# Altium PCB ALCT_MEZ_SPARTAN6T.PcbDoc (part 1 of 12) (continued)
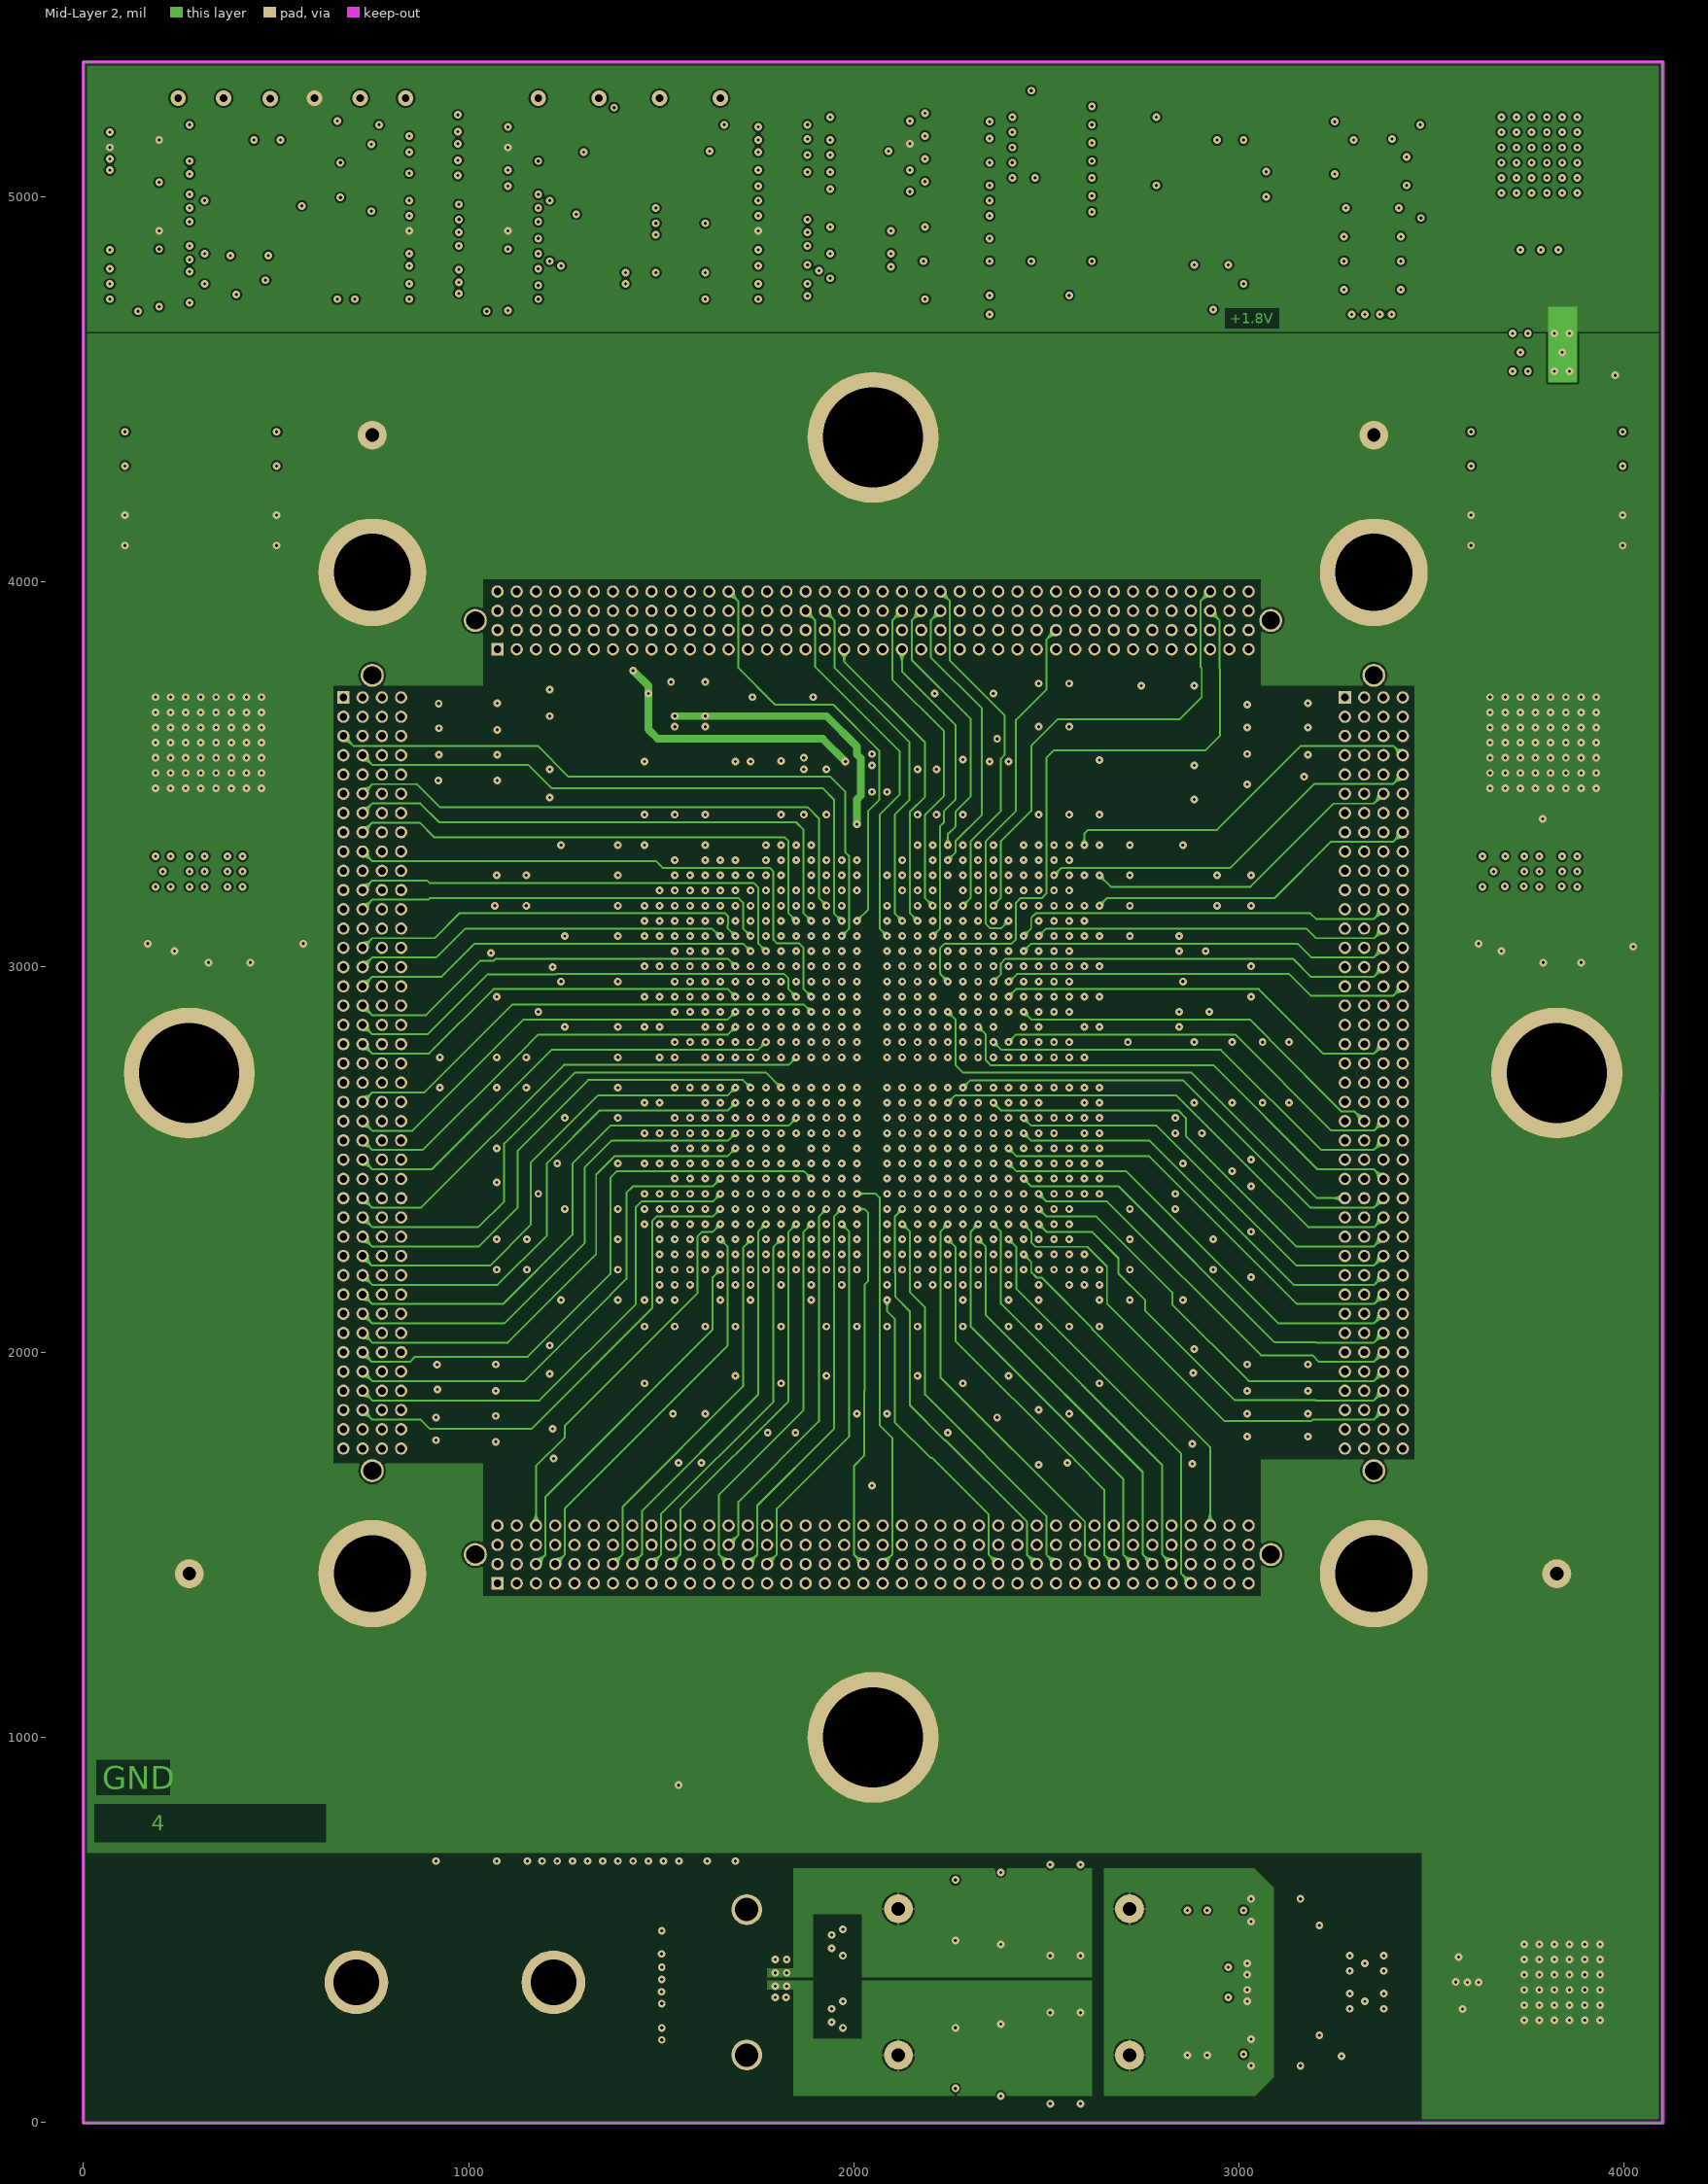
[diagram p4: Mid-Layer 2]
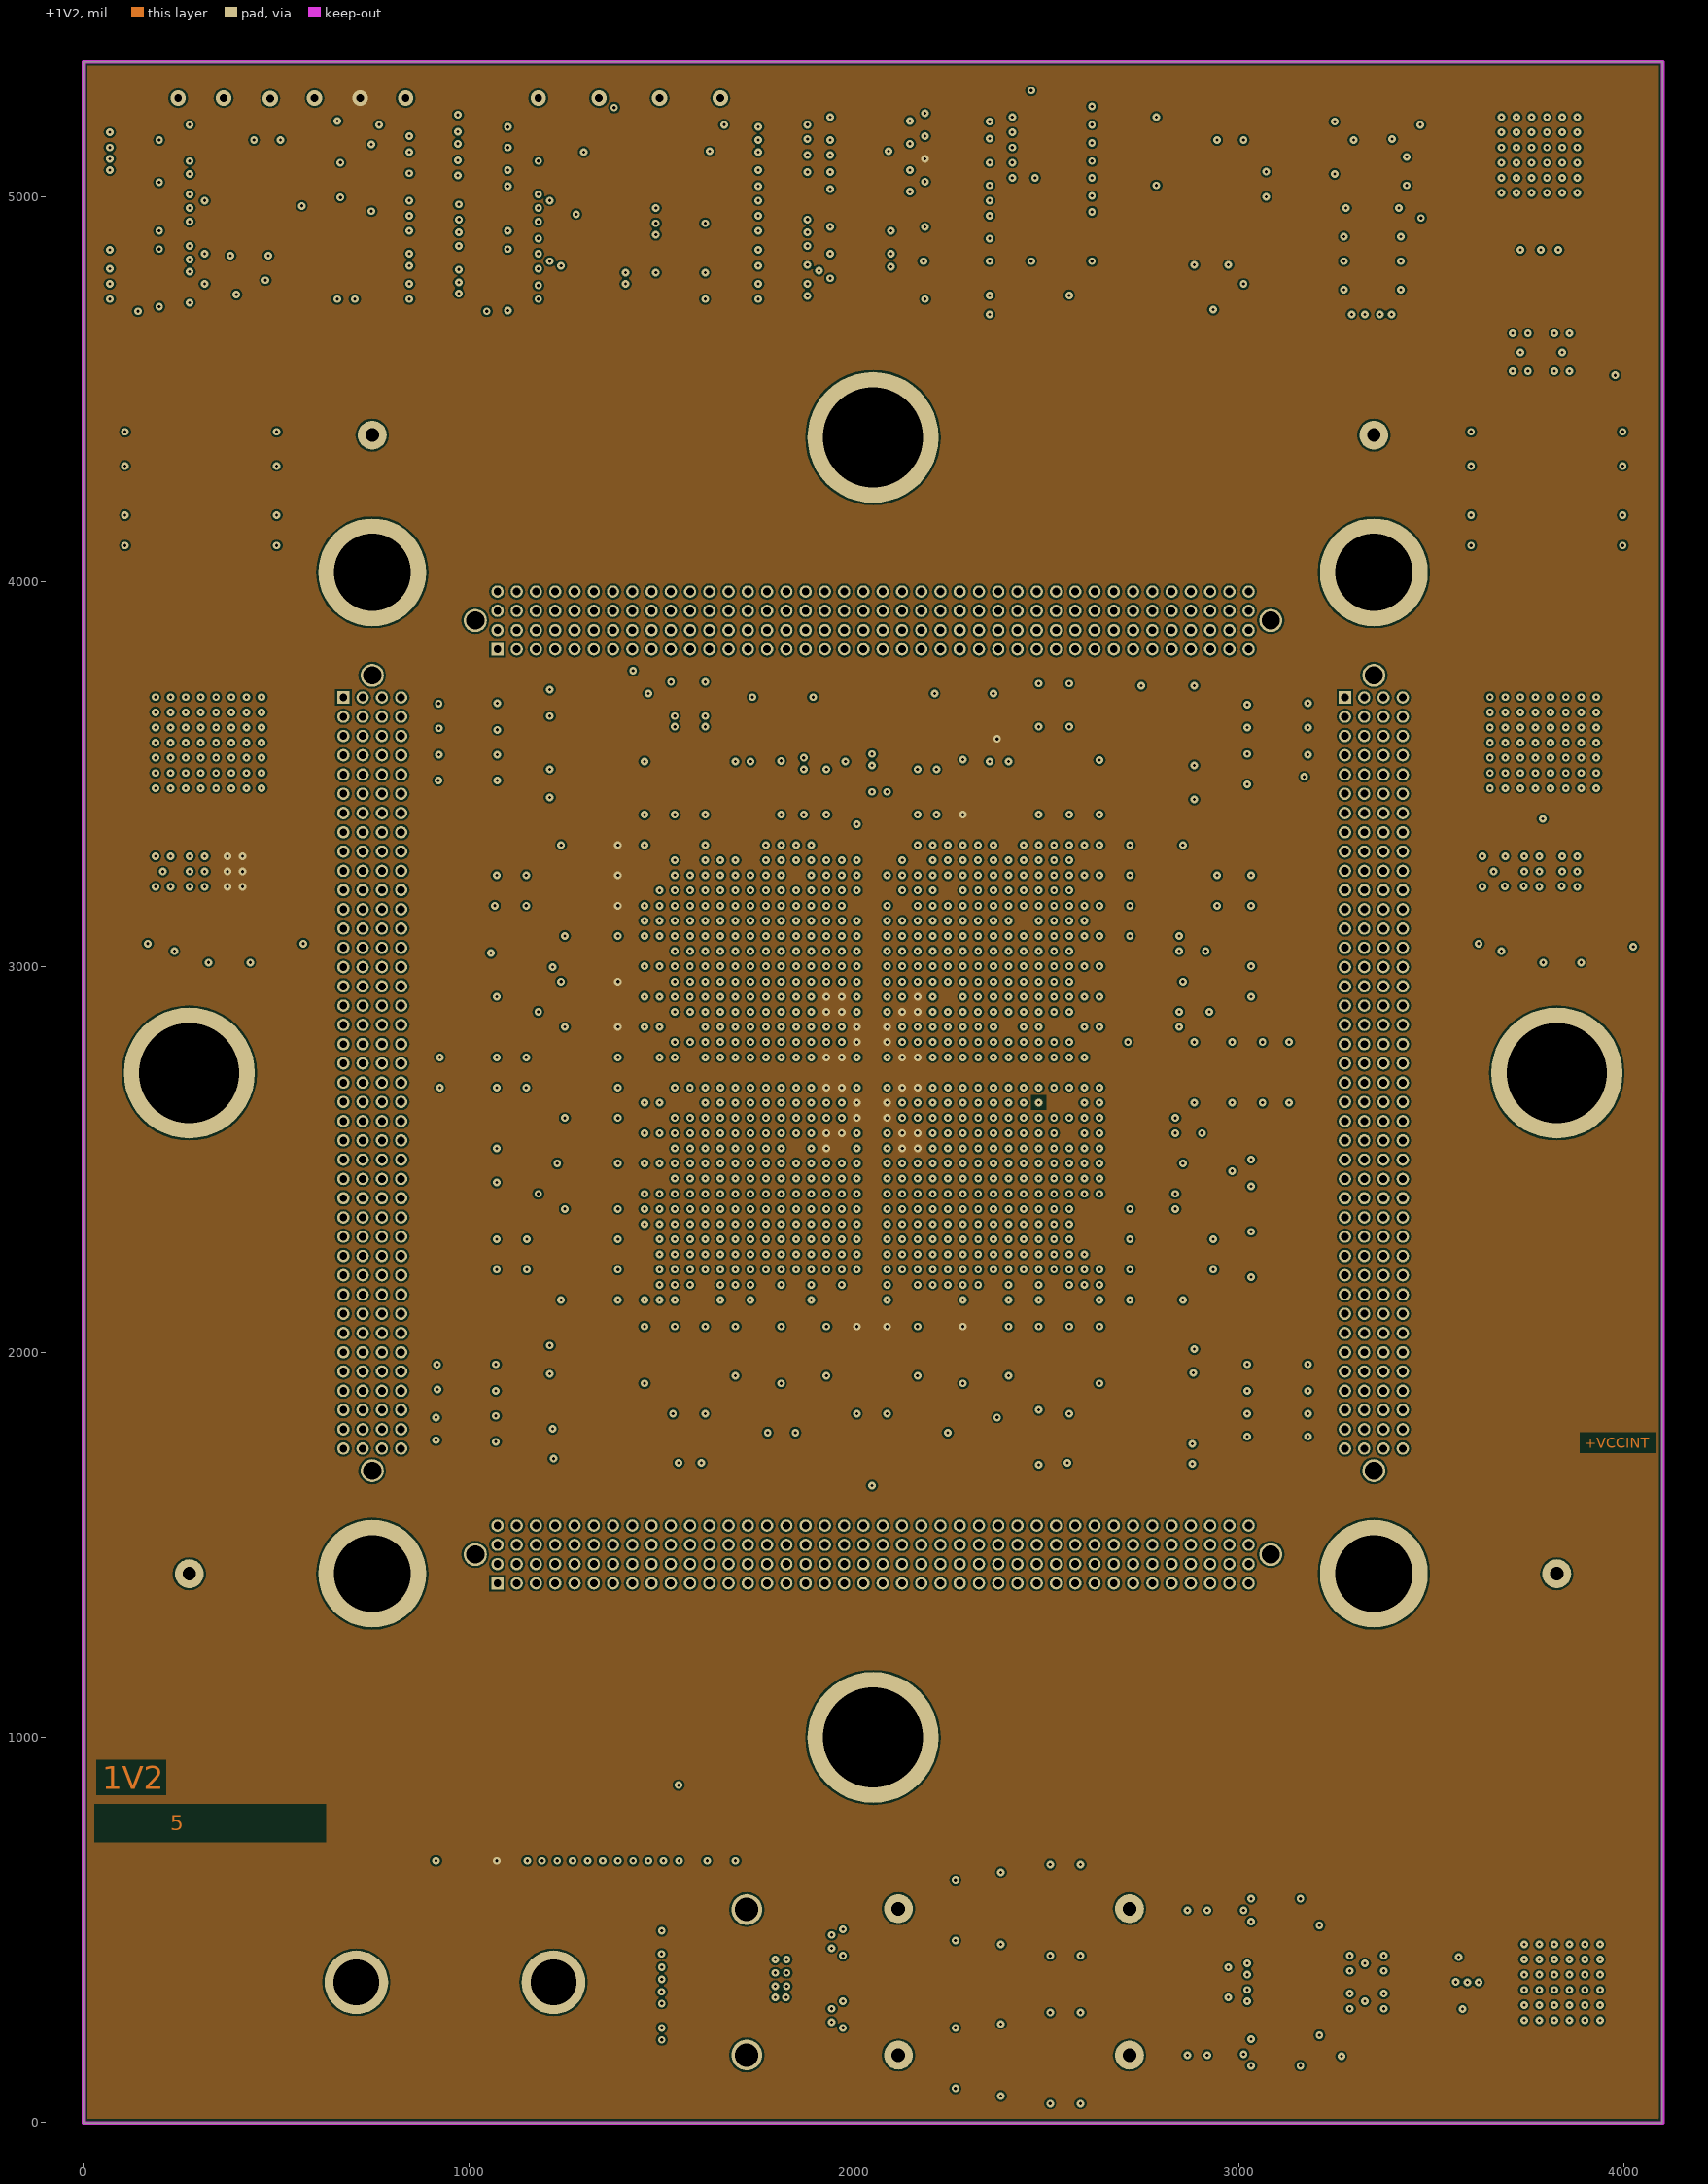
[diagram p5: +1V2]
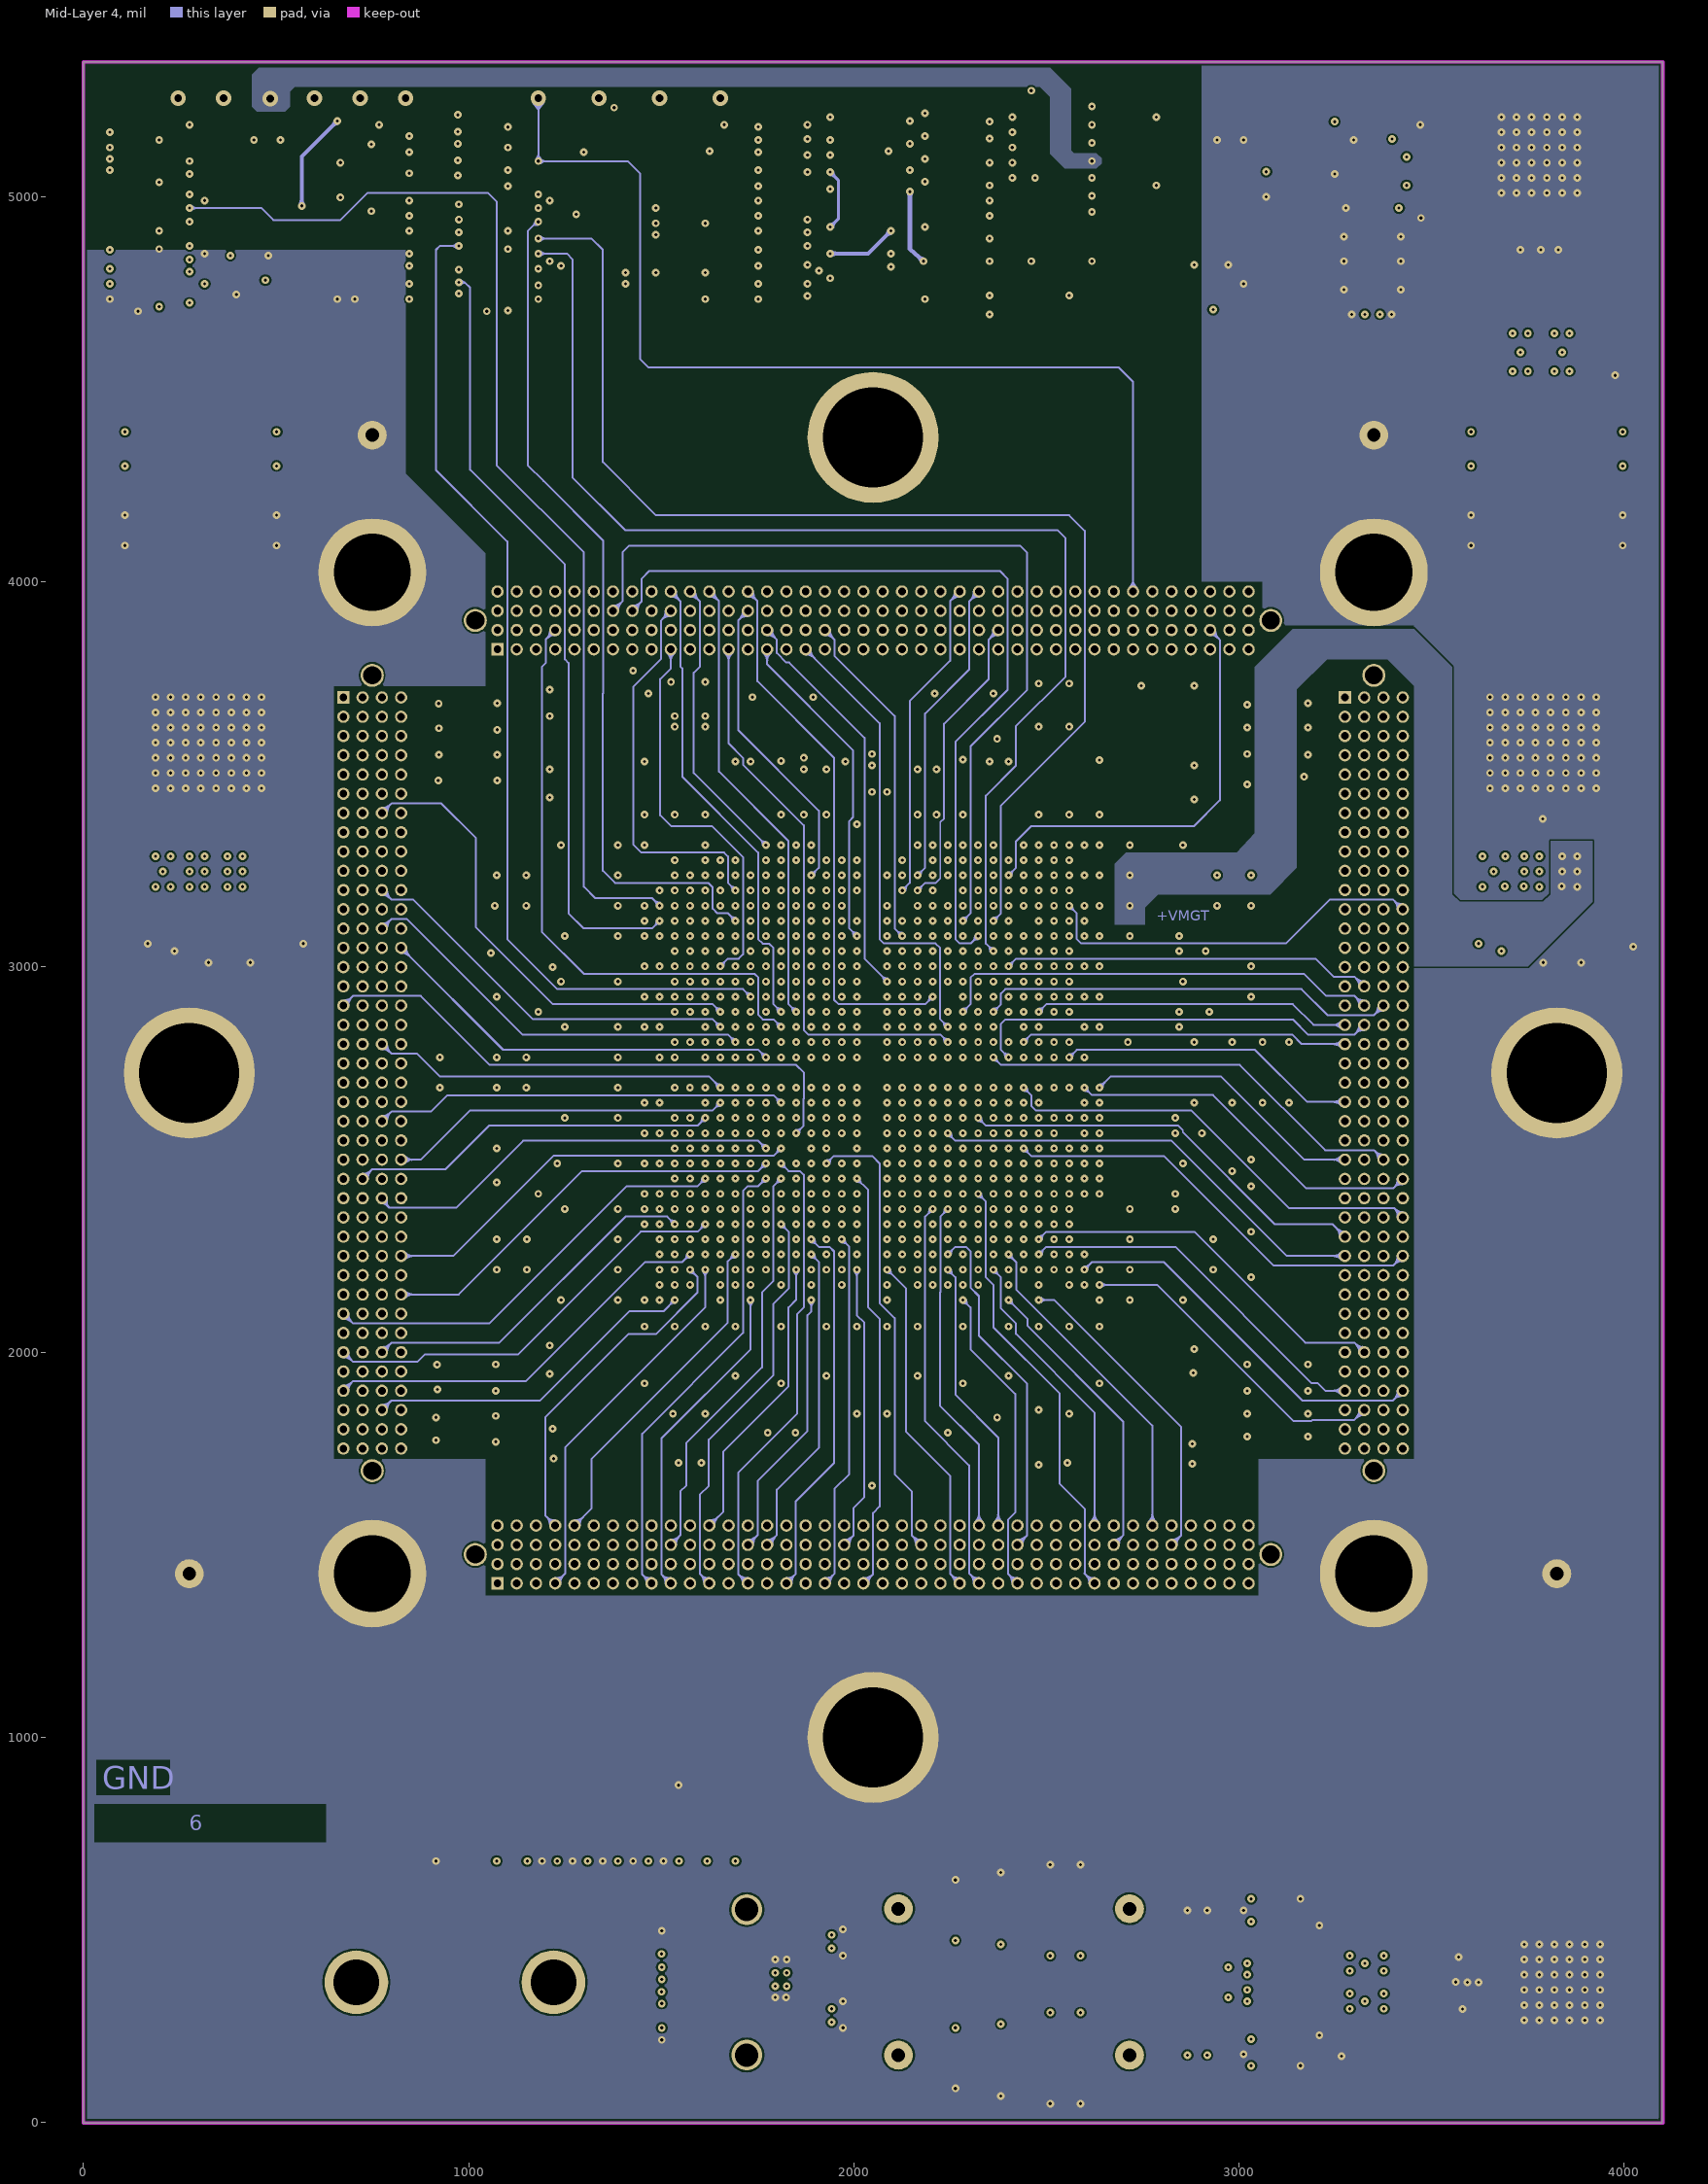
[diagram p6: Mid-Layer 4]
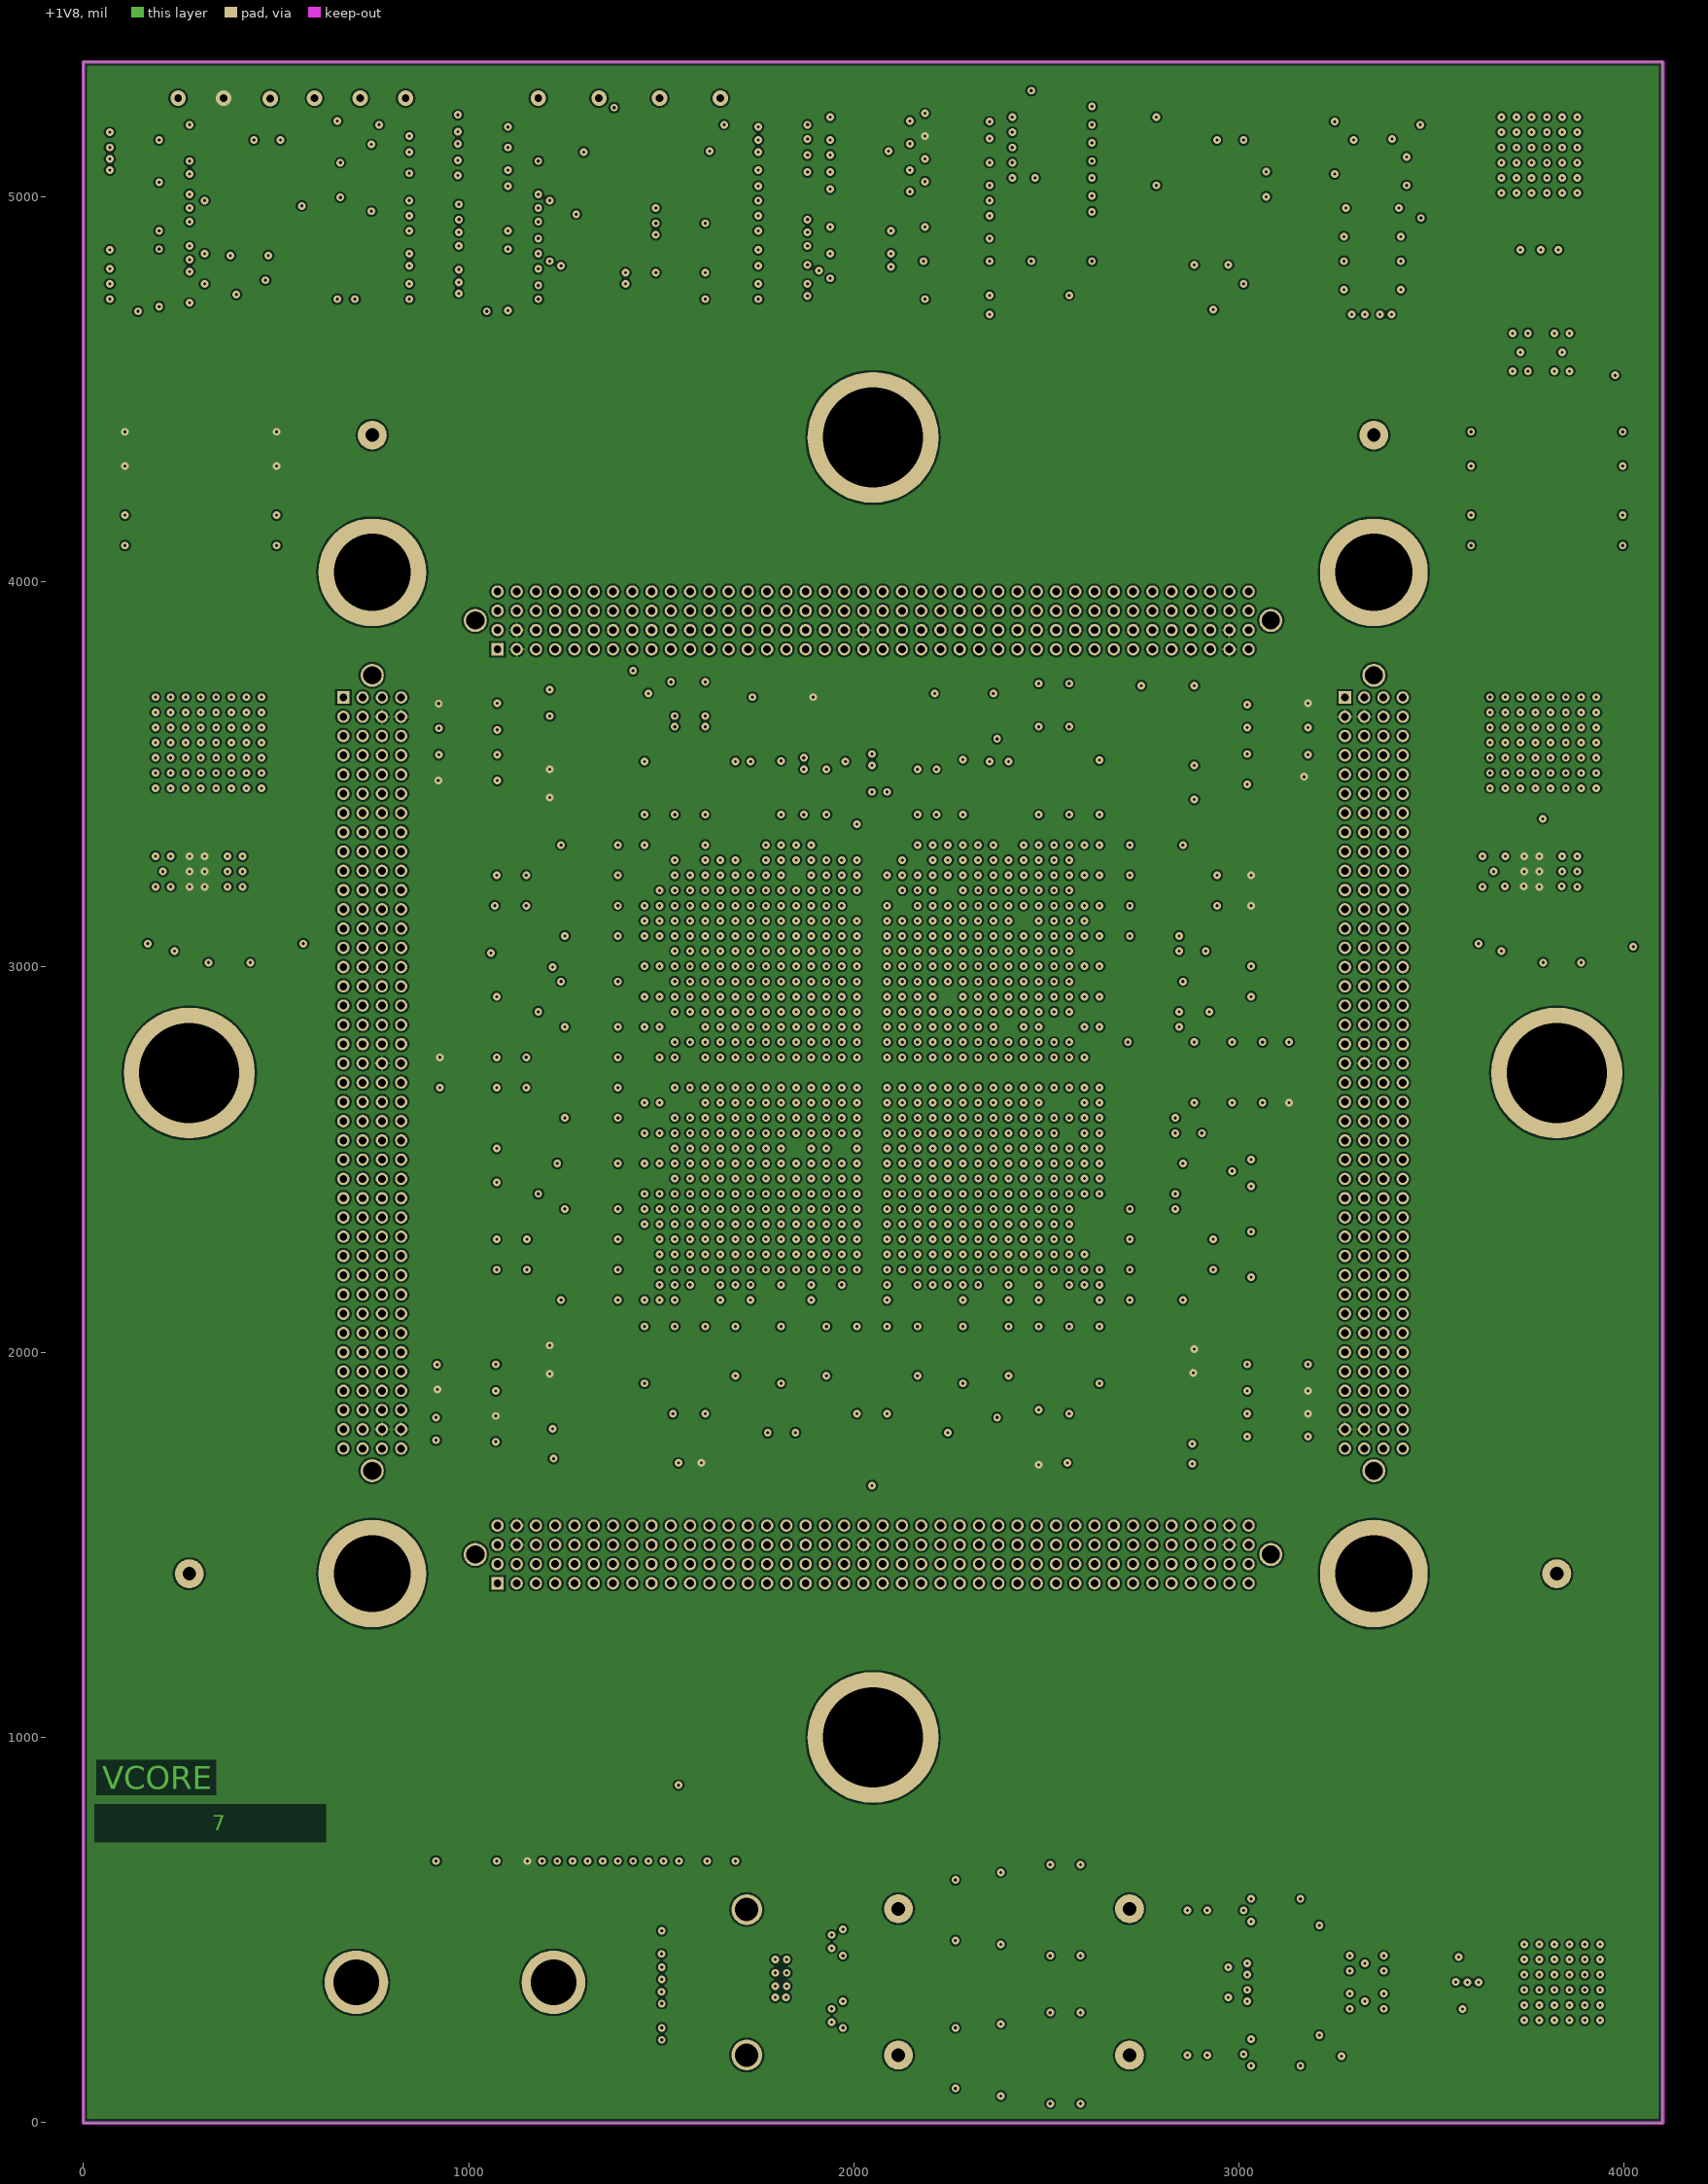
[diagram p7: +1V8]